# Altium PCB SAM4N_Xplained_Pro.PcbDoc (part 1 of 3) (continued)
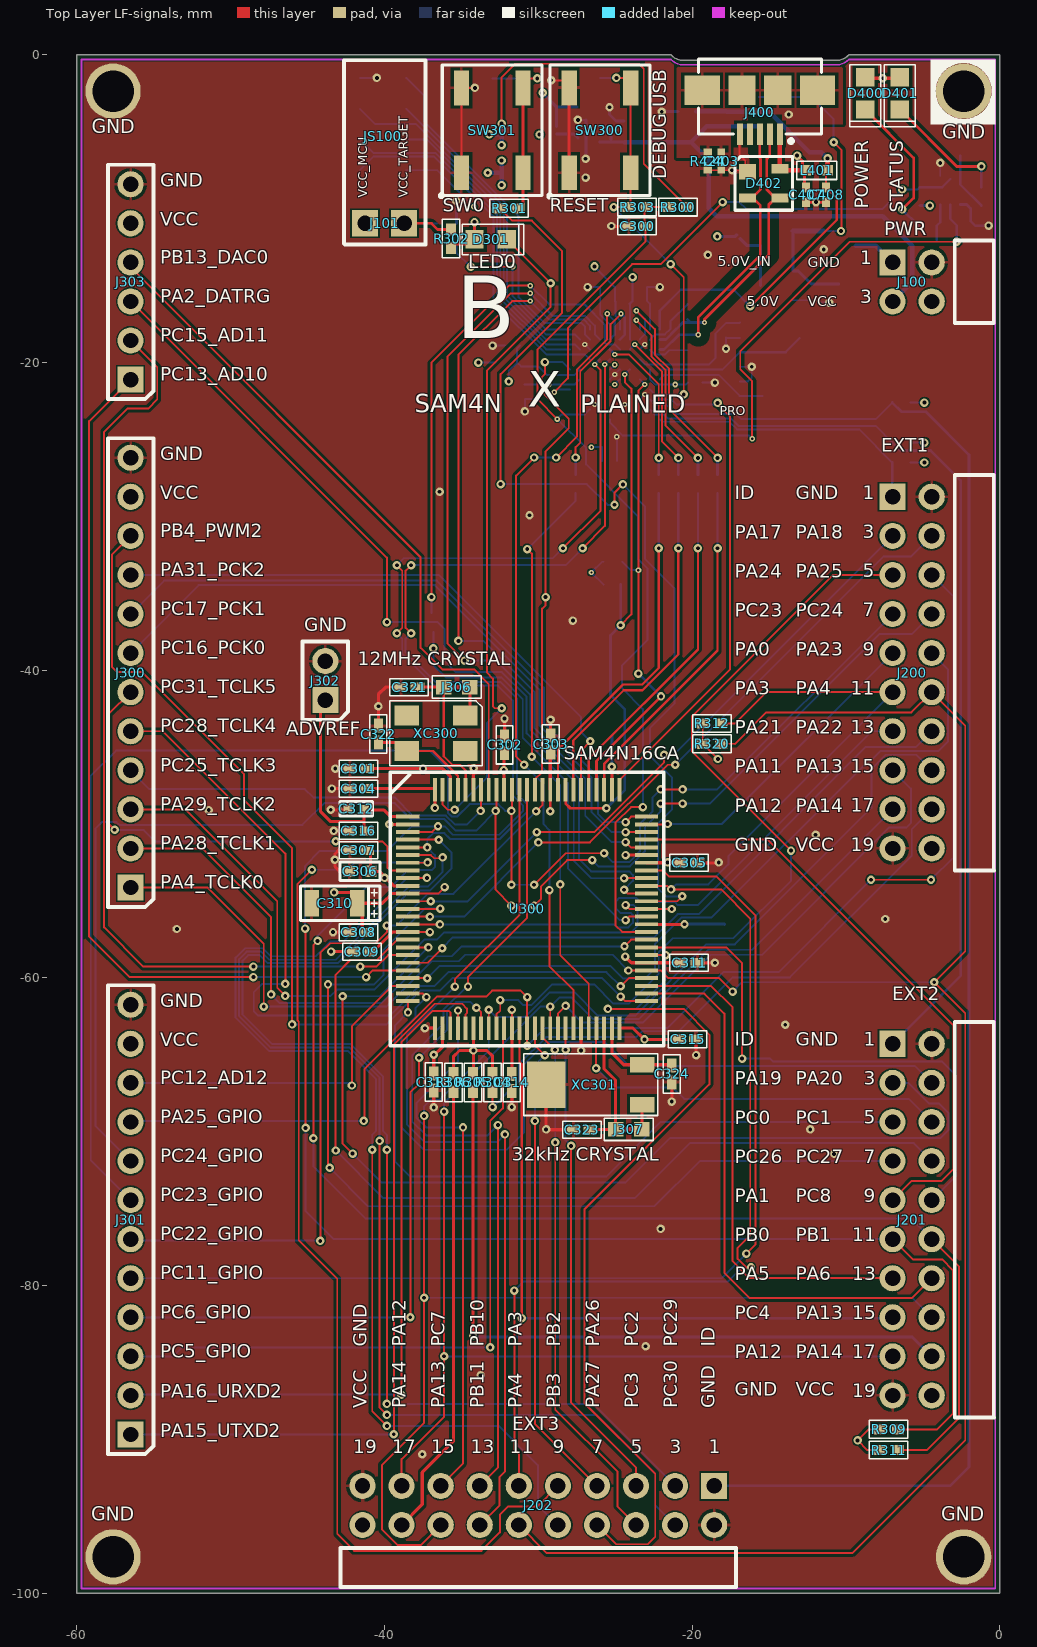
[diagram p0: Top Layer LF-signals view]
## Components (designator, comment, footprint, x,y, rotation, side; value= is the part's Value field where it differs from the comment) (continued)
R100 "R2" AP2-00000 -20.325,-3.675 r0 bottom
R101 "R2" AP2-00000 -26.875,-3.4 r0 bottom
R102 "R2" AP2-00000 -29.4,-3.4 r0 bottom
R103 "R2" AP2-00000 -17.1,-11.1 r90 bottom
R104 "R2" AP2-00000 -11.8,-15.5 r90 bottom locked
R105 "R2" AP2-00000 -36.6,-11.55 r90 bottom
R106 "R2" AP2-00000 -31.79,-5.165 r180 bottom locked
R107 "R2" AP2-00000 -35.325,-11.55 r270 bottom
R300 "R2" AP2-00000 -20.925,-9.9 r0 top
R301 "R2" AP2-00000 -31.9,-9.975 r180 top
R302 "R2" AP2-00000 -35.675,-11.95 r90 top
R303 "R2" AP2-00000 -23.575,-9.9 r0 top
R304 "R2" AP2-00000 -32.975,-66.8 r90 top
R305 "R2" AP2-00000 -34.25,-66.8 r90 top
R306 "R2" AP2-00000 -35.525,-66.8 r90 top
R309 "R2" AP2-00000 -7.225,-89.35 r180 top
R311 "R2" AP2-00000 -7.225,-90.7 r180 top
R312 "R2" AP2-00000 -18.714,-43.46 r180 top
R320 "R2" AP2-00000 -18.714,-44.785 r180 top
R321 "R2" AP2-00000 -25.15,-34.425 r180 bottom
R322 "R2" AP2-00000 -25.15,-32.95 r180 bottom
R401 "R2" AP2-00000 -6.4,-22.6 r0 bottom locked
R402 "R2" AP2-00000 -6.4,-25.2 r0 bottom locked
R409 "R2" AP2-00000 -6.4,-26.5 r0 bottom locked
R410 "R2" AP2-00000 -5.2,-9.2 r270 bottom locked
R411 "R2" AP2-00000 -4.7,-11.1 r180 bottom locked
R412 "R2" AP2-00000 -1.2,-9.2 r90 bottom locked
R413 "R2" AP2-00000 -2.2,-11.1 r180 bottom locked
R414 "R2" AP2-00000 -27.575,-27.875 r90 bottom
R415 "R2" AP2-00000 -36.95,-36.875 r90 bottom
R416 "R2" AP2-00000 -22.175,-27.9 r90 bottom
R417 "R2" AP2-00000 -20.9,-27.9 r90 bottom
R418 "R2" AP2-00000 -19.625,-27.9 r90 bottom
R419 "R2" AP2-00000 -18.35,-27.9 r90 bottom
R421 "R2" AP2-00011 -20.3,-16.7 r90 bottom locked
R422 "R2" AP2-00011 -20.3,-18.7 r270 bottom locked
R423 "R2" AP2-00011 -16.9,-17.9 r90 bottom locked
R424 "R2" AP2-00011 -19,-6.9 r90 top locked
R425 "R2" AP2-00000 -31.79,-7.665 r0 bottom locked
SW300 "Can be ordered in low volumes from Mouser" AP8-00137 -26,-4.9 r90 top locked
SW301 "Can be ordered in low volumes from Mouser" AP8-00137 -33,-4.9 r90 top locked
TP300 "TESTPAD" AP8-00010#1 -26,-1.5 r270 bottom locked
TP302 "TESTPOINT" AP8-00010#1 -25.2,-44.25 r270 bottom locked
TP303 "TESTPAD" AP8-00010#2 -32.825,-1.475 r270 bottom locked
TP304 "TESTPOINT" AP8-00010#1 -17.9,-56.525 r270 bottom locked
TP400 "TESTPAD" AP8-00010#1 -41.6,-1.5 r270 bottom locked
TP401 "TESTPAD" AP8-00010#1 -38.6,-1.5 r270 bottom locked
TP402 "TESTPAD" AP8-00010#1 -41.6,-3.5 r270 bottom locked
TP403 "TESTPAD" AP8-00010#1 -41.6,-5.5 r270 bottom locked
TP404 "TESTPAD" AP8-00010#1 -38.6,-5.5 r270 bottom locked
TP405 "TESTPAD" AP8-00010#1 -41.6,-7.5 r270 bottom locked
TP406 "TESTPAD" AP8-00010#1 -38.6,-3.5 r270 bottom locked
TP407 "TESTPAD" AP8-00010#1 -38.6,-7.5 r270 bottom locked
U100 "Mouser: 1016-1588-2-ND" AP6-00338 -27.425,-5.4 r180 bottom
U300 "SAM4N_100LPQF" AP6-00292 -30.725,-55.52 r0 top locked
U400 "100 ball VFBGA" AP6-00206 -25.025,-20.775 r90 bottom locked
XC300 "12.0MHz" AP7-00039 -36.65,-44.1 r180 top
XC301 "Farnell order no:1539364" AP7-00044 -23.25,-66.95 r90 top
XC400 "12.0MHz" AP7-00039 -14.25,-20.25 r90 bottom locked

## Footprints (in the part's own frame and the unit in brackets; to place one, negate y for a bottom-side part, rotate by r counter-clockwise, add the part's x,y. Pads: shape width x height; smd on the part's side, far side on the other; paste and mask are expansions set on the pad)
AP1-00001 [mm] "Standard 0402 SMD capacitor footprint"
  rect 0.9x0.6 smd: 1(-0.55,0) 2(0.55,0)
  silkscreen extent -1.25,-0.55 1.25,0.55, body extent -0.5,-0.3 0.5,0.3, height 0.2
AP1-00036 [mm] "SMD capacitors: 3216-18 EIA Case 1206, polarized"
  rect 0.95x1.75 smd: 1(-1.475,0) 2(1.475,0)
  silkscreen extent -2.95,-1.12 2.2,1.12, body extent -1.6,-0.8 1.6,0.8, height 1
AP1-00038 [mm] "Generic pad 0402, spacing 0.45mm"
  rect 0.5x0.6 smd: 1(0,0) 2(0,-1.05)
  silkscreen extent -0.48,-1.58 0.48,0.53, body extent -0.3,-1.02 0.3,-0.03, height 0.2
AP1-00039 [mil] "Capacitor 0603 Hight 0.8mm"
  rect 30x30 smd: 1(-27.5,0) 2(27.5,0)
  silkscreen extent -52,-24 51,24, body extent -31,-16 32,16, height 12
AP1-00053 [mm] "Chip Capacitor, 2-Leads, Body 1.0x0.5mm, IPC High Density"
  rect 0.65x0.5 smd: 1(-0.475,0) 2(0.475,0)
  body extent -0.5,-0.3 0.5,0.3, height 0.2
AP2-00000 [mm] "Standard 0402 SMD resistor footprint"
  rect 0.8x0.65 smd: 1(-0.6,0) 2(0.6,0)
  silkscreen extent -1.25,-0.58 1.25,0.58, body extent -0.5,-0.3 0.5,0.3, height 0.2
AP2-00011 [mm] "Chip Resistor, 2-Leads, Body 1,0x0,5mm, IPC High Density"
  rect 0.6x0.55 smd: 1(-0.5,0) 2(0.5,0)
  body extent -0.5,-0.3 0.5,0.3, height 0.2
AP3-00005 [mm]
  rect 0.7x0.7 smd: 1(-0.7,0) 2(0.7,0)
  silkscreen extent -1.3,-0.6 1.3,0.6, body extent -0.83,-0.41 0.82,0.41, height 0.8
AP4-00001 [mm]
  rect 1.1x1 smd: 1(0,0)
  rect 1.1x0.6 smd: 2(0,-1.7) 3(2.1,-1.7) 4(2.1,0.2)
  silkscreen extent -0.82,-2.5 2.93,1, body extent -0.25,-2.25 2.25,0.75, height 1.1
AP4-00013 [mm] "0805 diode footprint"
  rect 1.2x1.2 smd: 1(-1.05,0) 2(1.05,0)
  silkscreen extent -2.16,-1 1.85,1, body extent -1,-0.63 1,0.63, height 1.1
AP5-00001 [mm]
  rect 0.85x0.35 smd: 1(-0.925,0.65) 2(-0.925,0) 3(-0.925,-0.65) 4(0.925,-0.65) 5(0.925,0) 6(0.925,0.65)
  silkscreen extent -1.6,-1.35 1.6,1.35, body extent -1.05,-1 1.05,1, height 0.95
AP5-00002 [mm] "SOT-23 Package"
  rect 1.3x0.6 smd: 1(-1.05,0.95) 2(-1.05,-0.95) 3(1.05,0)
  silkscreen extent -1.95,-1.78 1.95,1.78, body extent -1.25,-1.46 1.23,1.46, height 1
AP6-00206 [mm] "100 ball (10x10 array) VFBGA. Pitch 0.65 mm. Width: 7 mm. Length: 7mm. Height: 1 mm"
  round 0.28 smd: A1(-2.925,2.925) A2(-2.275,2.925) A3(-1.625,2.925) A4(-0.975,2.925) A5(-0.325,2.925) A6(0.325,2.925) A7(0.975,2.925) A8(1.625,2.925) A9(2.275,2.925) A10(2.925,2.925) B1(-2.925,2.275) B2(-2.275,2.275) B3(-1.625,2.275) B4(-0.975,2.275) B5(-0.325,2.275) B6(0.325,2.275) B7(0.975,2.275) B8(1.625,2.275) B9(2.275,2.275) B10(2.925,2.275) C1(-2.925,1.625) C2(-2.275,1.625) C3(-1.625,1.625) C4(-0.975,1.625) C5(-0.325,1.625) C6(0.325,1.625) C7(0.975,1.625) C8(1.625,1.625) C9(2.275,1.625) C10(2.925,1.625) D1(-2.925,0.975) D2(-2.275,0.975) D3(-1.625,0.975) D4(-0.975,0.975) D5(-0.325,0.975) D6(0.325,0.975) D7(0.975,0.975) D8(1.625,0.975) D9(2.275,0.975) D10(2.925,0.975) E1(-2.925,0.325) E2(-2.275,0.325) E3(-1.625,0.325) E4(-0.975,0.325) E5(-0.325,0.325) E6(0.325,0.325) E7(0.975,0.325) E8(1.625,0.325) E9(2.275,0.325) E10(2.925,0.325) F1(-2.925,-0.325) F2(-2.275,-0.325) F3(-1.625,-0.325) F4(-0.975,-0.325) F5(-0.325,-0.325) F6(0.325,-0.325) F7(0.975,-0.325) F8(1.625,-0.325) F9(2.275,-0.325) F10(2.925,-0.325) G1(-2.925,-0.975) G2(-2.275,-0.975) G3(-1.625,-0.975) G4(-0.975,-0.975) G5(-0.325,-0.975) G6(0.325,-0.975) G7(0.975,-0.975) G8(1.625,-0.975) G9(2.275,-0.975) G10(2.925,-0.975) H1(-2.925,-1.625) H2(-2.275,-1.625) H3(-1.625,-1.625) H4(-0.975,-1.625) H5(-0.325,-1.625) H6(0.325,-1.625) H7(0.975,-1.625) H8(1.625,-1.625) H9(2.275,-1.625) H10(2.925,-1.625) J1(-2.925,-2.275) J2(-2.275,-2.275) J3(-1.625,-2.275) J4(-0.975,-2.275) J5(-0.325,-2.275) J6(0.325,-2.275) J7(0.975,-2.275) J8(1.625,-2.275) J9(2.275,-2.275) J10(2.925,-2.275) K1(-2.925,-2.925) K2(-2.275,-2.925) K3(-1.625,-2.925) K4(-0.975,-2.925) K5(-0.325,-2.925) K6(0.325,-2.925) K7(0.975,-2.925) K8(1.625,-2.925) K9(2.275,-2.925) K10(2.925,-2.925)
  silkscreen extent -4.15,-4.15 4.15,4.15, body extent -3.5,-3.5 3.5,3.5, height 1.01
AP6-00292 [mil] "QFP100-20-630"
  rect 60x10 smd mask+3: 1(-305.32,236.22) 2(-305.32,216.54) 3(-305.32,196.85) 4(-305.32,177.17) 5(-305.32,157.48) 6(-305.32,137.8) 7(-305.32,118.11) 8(-305.32,98.43) 9(-305.32,78.74) 10(-305.32,59.06) 11(-305.32,39.37) 12(-305.32,19.69) 13(-305.32,0) 14(-305.32,-19.69) 15(-305.32,-39.37) 16(-305.32,-59.06) 17(-305.32,-78.74) 18(-305.32,-98.43) 19(-305.32,-118.11) 20(-305.32,-137.8) 21(-305.32,-157.48) 22(-305.32,-177.17) 23(-305.32,-196.85) 24(-305.32,-216.54) 25(-305.32,-236.22) 51(305.32,-236.22) 52(305.32,-216.54) 53(305.32,-196.85) 54(305.32,-177.17) 55(305.32,-157.48) 56(305.32,-137.8) 57(305.32,-118.11) 58(305.32,-98.43) 59(305.32,-78.74) 60(305.32,-59.06) 61(305.32,-39.37) 62(305.32,-19.69) 63(305.32,0) 64(305.32,19.69) 65(305.32,39.37) 66(305.32,59.06) 67(305.32,78.74) 68(305.32,98.43) 69(305.32,118.11) 70(305.32,137.8) 71(305.32,157.48) 72(305.32,177.17) 73(305.32,196.85) 74(305.32,216.54) 75(305.32,236.22)
  rect 10x60 smd mask+3: 26(-236.22,-305.32) 27(-216.54,-305.32) 28(-196.85,-305.32) 29(-177.17,-305.32) 30(-157.48,-305.32) 31(-137.8,-305.32) 32(-118.11,-305.32) 33(-98.43,-305.32) 34(-78.74,-305.32) 35(-59.06,-305.32) 36(-39.37,-305.32) 37(-19.69,-305.32) 38(0,-305.32) 39(19.69,-305.32) 40(39.37,-305.32) 41(59.06,-305.32) 42(78.74,-305.32) 43(98.43,-305.32) 44(118.11,-305.32) 45(137.8,-305.32) 46(157.48,-305.32) 47(177.17,-305.32) 48(196.85,-305.32) 49(216.54,-305.32) 50(236.22,-305.32) 76(236.22,305.32) 77(216.54,305.32) 78(196.85,305.32) 79(177.17,305.32) 80(157.48,305.32) 81(137.8,305.32) 82(118.11,305.32) 83(98.43,305.32) 84(78.74,305.32) 85(59.06,305.32) 86(39.37,305.32) 87(19.69,305.32) 88(0,305.32) 89(-19.69,305.32) 90(-39.37,305.32) 91(-59.06,305.32) 92(-78.74,305.32) 93(-98.43,305.32) 94(-118.11,305.32) 95(-137.8,305.32) 96(-157.48,305.32) 97(-177.17,305.32) 98(-196.85,305.32) 99(-216.54,305.32) 100(-236.22,305.32)
  silkscreen extent -385,-350 350,350, body extent -315,-315 315,315, height 62
AP6-00338 [mm] "8-lead 3.0x2.0 mm Body, 0.50 mm Pitch,  VDFN, Very Thin, Dual Flat No-Lead Package"
  round 0.4 on Bottom Paste: 0(-0.425,-0.4) 0(-0.425,0.4) 0(0,0) 0(0.425,-0.4) 0(0.425,0.4)
  rect 0.6x0.25 smd: 1(-1.4,0.75) 2(-1.4,0.25) 3(-1.4,-0.25) 4(-1.4,-0.75) 5(1.4,-0.75) 6(1.4,-0.25) 7(1.4,0.25) 8(1.4,0.75)
  rect 1.6x1.5 smd paste-0.7: 9(0,0)
  silkscreen extent -2.26,-1.3 2.2,1.33, body extent -1.53,-1 1.53,1, height 0.92
AP7-00039 [mm] "FOX FQ5032B"
  rect 1.6x1.3 smd: 1(-1.9,-1.15) 2(1.9,-1.15) 3(1.9,1.15) 4(-1.9,1.15)
  silkscreen extent -3,-2.1 3,2.1, body extent -2.7,-1.8 2.7,1.8, height 1.2
AP7-00044 [mm]
  rect 1x1.6 smd: 1(-1.3,0) 2(1.3,0)
  rect 3x2.5 smd: 3(0,6.25)
  silkscreen extent -2,-1 2,7.7, body extent -1.5,-0.7 1.5,7.4, height 2.08
AP8-00010#1 [mm] "Testpad 50mil"
  round 1.27 smd paste-0.635: 1(0,0)
AP8-00010#2 [mm] "Testpad 50mil"
  round 1.27 smd paste-0.635: 1(0.025,0.175)
AP8-00137 [mm]
  rect 2.25x1 smd: 1(-2.75,2) 2(2.75,2) 3(-2.75,-2) 4(2.75,-2)
  silkscreen extent -4.37,-3.25 4.25,3.35, body extent -3.1,-3.1 3.1,3.1, height 3.4
AP8-00192 [mm]
  silkscreen extent -4,-4 4,4, body extent -3.97,-3.99 4,3.99, height 2.79
AP8-00317 [mm] "Placement area for 18x6mm sticker"
  silkscreen extent 0,0 18,6
AP8-00367 [mm] "1x2 pin header, right angle, 2.54 mm pitch, through-hole"
  rect 1.7x1.7 / inner round 1.7 / far side round 1.7 hole 1: 1(-1.27,0) 2(1.27,0)
  silkscreen extent -2.65,-1.38 2.66,10.6, body extent -2.54,-0.33 2.54,9.99, height 2.55
AP8-00525 [mm] "Jumper 2.54mm, 3D"
  body extent -2.49,0 2.49,5.97, height 2.52
AP8-00604 [mm] "Micro USB connector SMD"
  rect 0.4x1.4 smd: 1(-1.3,2.85) 2(-0.65,2.85) 3(0,2.85) 4(0.65,2.85) 5(1.3,2.85)
  rect 2.3x1.9 smd: 6(-3.75,0) 9(3.75,0)
  rect 1.775x1.9 smd: 7(-1.162,0) 8(1.162,0)
  silkscreen extent -4,-2.02 3.99,3.42, body extent -3.99,-2.58 3.99,2.85, height 2.77
AP8-00622 [mm] "2x10 Right angle 2.54mm THM"
  rect 1.7x1.7 / inner round 1.7 / far side rect 1.7x1.7 hole 1: 1(-11.43,-1.27)
  rect 2.1x2.1 on Top Paste: 1(-11.43,-1.27) 2(-11.43,1.27) 3(-8.89,-1.27) 4(-8.89,1.27) 5(-6.35,-1.27) 6(-6.35,1.27) 7(-3.81,-1.27) 8(-3.81,1.27) 9(-1.27,-1.27) 10(-1.27,1.27) 11(1.27,-1.27) 12(1.27,1.27) 13(3.81,-1.27) 14(3.81,1.27) 15(6.35,-1.27) 16(6.35,1.27) 17(8.89,-1.27) 18(8.89,1.27) 19(11.43,-1.27) 20(11.43,1.27)
  round 1.7 hole 1: 2(-11.43,1.27) 3(-8.89,-1.27) 4(-8.89,1.27) 5(-6.35,-1.27) 6(-6.35,1.27) 7(-3.81,-1.27) 8(-3.81,1.27) 9(-1.27,-1.27) 10(-1.27,1.27) 11(1.27,-1.27) 12(1.27,1.27) 13(3.81,-1.27) 14(3.81,1.27) 15(6.35,-1.27) 16(6.35,1.27) 17(8.89,-1.27) 18(8.89,1.27) 19(11.43,-1.27) 20(11.43,1.27)
  silkscreen extent -12.85,2.77 12.85,5.31, body extent -12.7,-1.59 12.7,11.29, height 5
AP8-00628 [mm] "2x2 Right angle 2.54mm THM"
  rect 1.7x1.7 / inner round 1.7 / far side rect 1.7x1.7 hole 1: 1(-1.27,-1.27)
  rect 2.1x2.1 on Top Paste: 1(-1.27,-1.27) 2(-1.27,1.27) 3(1.27,-1.27) 4(1.27,1.27)
  round 1.7 hole 1: 2(-1.27,1.27) 3(1.27,-1.27) 4(1.27,1.27)
  silkscreen extent -2.69,2.77 2.67,5.31, body extent -2.54,-1.52 2.54,11.36, height 5
AP8-00676 [mm]
  rect 1.7x1.7 / inner round 1.7 / far side rect 1.7x1.7 hole 1: 1(-6.35,0)
  round 1.7 hole 1: 2(-3.81,0) 3(-1.27,0) 4(1.27,0) 5(3.81,0) 6(6.35,0)
  silkscreen extent -7.62,-1.48 7.62,1.48, body extent -7.62,-1.27 7.62,1.27, height 8.38
AP8-00677 [mm]
  rect 1.7x1.7 / inner round 1.7 / far side rect 1.7x1.7 hole 1: 1(-13.97,0)
  round 1.7 hole 1: 2(-11.43,0) 3(-8.89,0) 4(-6.35,0) 5(-3.81,0) 6(-1.27,0) 7(1.27,0) 8(3.81,0) 9(6.35,0) 10(8.89,0) 11(11.43,0) 12(13.97,0)
  silkscreen extent -15.24,-1.48 15.24,1.48, body extent -15.24,-1.27 15.24,1.27, height 8.38
AP8-00733 [mm] "Pin header 1x2 Pin in Paste"
  rect 1.7x1.7 / inner round 1.7 / far side rect 1.7x1.7 hole 1: 1(-1.27,0)
  rect 2.1x2.1 on Top Paste: 1(-1.27,0) 2(1.27,0)
  round 1.7 hole 1: 2(1.27,0)
  silkscreen extent -2.54,-1.48 2.54,1.48, body extent -2.54,-1.27 2.54,1.27, height 8.38
AP9-00044 [mm]
  rect 1x0.95 smd paste-1: 1(-0.85,0) 2(0.85,0)
  Top Layer LF-signals region: -0.451,-0.15 0.449,-0.15 0.449,0.15 -0.451,0.15
  silkscreen extent -1.6,-0.72 1.6,0.72, body extent -0.8,-0.4 0.8,0.4, height 0.3

## Part data
C100: library part A01-0324, "SMD tantalum capacitor, ESR = 1.7, 3216-18 (EIA) 1206,"
C101: library part A01-0377, "Ceramic capacitor, SMD 0603, X5R, 10V, 10% (de31036)"
C300: library part A01-0046, "Ceramic capacitor, SMD 0402, X7R, 25V, +/-10% (de35287)"
C301 C302 C303 C304 C305 C307 C308 C309 C311 C313 C314 C315 C404 C410 C411 C412 C413: library part A01-0246, "Ceramic capacitor, SMD 0402, X7R, 16V, +/-10%"
C306: library part A01-0461, "Ceramic capacitor, SMD 0603, X5R, 10V, 10UF ± 20%"
C310: library part A01-0492, "Capacitor Tantalum 10V 2.2uF 10% ESR = 6 ohm"
C312: library part A01-0447, "Ceramic capacitor, SMD 0402, X5R, 10V, ±10 %"
C316: library part A01-0050, "Ceramic capacitor, SMD 0402, X7R, 25V, +/-10%"
C321 C322 C400 C401: library part A01-0019, "Ceramic capacitor, SMD 0402, NP0, 50V, +/-5%"
C323 C324: library part A01-0012, "Ceramic capacitor, SMD 0402, NP0, 50V, +/-5%"
C402: library part A01-0015, "Ceramic capacitor, SMD 0402, NP0, 50V, +/-5%"
C403: library part A01-0046, "Ceramic capacitor, SMD 0402, X7R, 25V, +/-10%"
C405 C409 C414 C415: library part A01-0300, "Ceramic capacitor, SMD 0402, X5R, 6.3V, +/-20%"
C406 C407 C408: library part A01-0321, "Ceramic capacitor, SMD 0402, C0G, 50V, +/-5%"
D301 D401: library part A10-0019, "LED, Yellow, Wave length=591nm, SMD 0805, ±70°"
D400: library part A10-0018, "LED, Green, Wave length=575nm, SMD 0805, ±70°"
D402: library part A06-0236, "Double rail-to-rail USB ESD protection diode"
E1 E2 E3 E4: library part A08-0053, "2.8mm adhesive feet,diam 8.0mm"
J100: library part A08-1519, "Pin header, 2x2, Right Angle, 2.54mm, THT, Pin In Paste"
J101: library part A08-0764, "1x2 pin header, right angle, 2.54 mm pitch, through-hole"
J200 J201 J202: library part A08-1513, "Pin header, 2x10, Right Angle, 2.54mm, THM, Pin In Paste"
J300 J301: library part A08-1617, "1x12 pin header, 2.54mm pitch, Pin-in-Paste THM"
J302: library part A08-1754, "1x2 pin header, 2.54mm pitch, Pin-in-Paste THM"
J303: library part A08-1616, "1x6 pin header, 2.54mm pitch, Pin-in-Paste THM"
J306 J307: library part A09-0783, "Default closed SMD strap, 0603 size"
J400: library part A08-1368, "Micro USB AB Connector"
JS100: library part A08-0543, "Jumper cap for 2.54mm pinheader"
L401 L402: library part A03-0035, "SMD RF inductor 0603. Z=470Ohm (@100MHz), Max R(dc)=0.65Ohm, Max current=1A"
LABEL1: library part A09-0611, "PCBA identification label PP Top White Gloss"
Q100 Q101 Q102: library part A05-0087, "P-ch. MOSFET. -30V, -3.7A continuous,RDS(ON)=0.05Ohm@VGS=-4,5V, RDS(ON)=0.08Ohm@VGS=-2.5V"
Q103: library part A05-0085, "N-Channel MOSFET. 60V, 0.300A continuous, 1.2A Peak. RDS(ON) = 3.8Ohm@VGS=4.5V, VGS(th)<2.5V"
Q400: library part A05-0051, "Dual N-Channel MOSFET, 60V, 115mA cont,RDS(ON) < 7.5 Ohm @50mA@5V, SOT-363"
R100 R104 R410 R413 R424: library part A02-0284, "Thick film resistor, SMD 0402, 1/16W, 1%"
R101: library part A02-0242, "Thick film resistor, SMD 0402, 1/16W, 1%"
R102: library part A02-0247, "Thick film resistor, SMD 0402, 1/16W, 1%"
R103 R300 R321 R322: library part A02-0260, "Thick film resistor, SMD 0402, 1/16W, 1%"
R105 R107: library part A02-0252, "Thick film resistor, SMD 0402, 1/16W, 1%"
R106 R425: library part A02-0163, "Thick film resistor, SMD 0402, 1/16W, 1%"
R301 R303 R421 R422: library part A02-0178, "Thick film resistor, SMD 0402, 1/16W, 1%"
R302 R411 R412 R414 R415 R416 R417 R418 R419: library part A02-0200, "Thick film resistor, SMD 0402, 1/16W, 1%"
R304 R305 R306: library part A02-0179, "Thick film resistor, SMD 0402, 1/16W, 1%"
R309 R311 R312 R320: library part A02-0228, "Thick film resistor, SMD 0402, 1/16W, 1%"
R401 R402 R409: library part A02-0212, "Thick film resistor, SMD 0402, 1/16W, 1%"
R423: library part A02-0539, "Thick film resistor, SMD 0402, 1/16W, 1%"
SW300 SW301: library part A08-0790, "6.2x6.2 mm SMD tact switch, same as A08-0091 but less force is needed"
TP300 TP302 TP303 TP304 TP400 TP401 TP402 TP403 TP404 TP405 TP406 TP407: library part A08-0004, "Single SMD testpad"
U100: library part A06-0957, "500mA LDO, ADJ, low noise, 8-DFN package"
U300: library part A06-0963, "ARM Cortex-M4 MCU with 1MB flash, 80KB SRAM"
U400: library part A06-0736, "AVR 32-bit RISC MCU"
XC300 XC400: library part A07-0042, "Fox FQ5032B 12.0MHz SMD crystal 738B-12"
XC301: library part A07-0052, "32k768 crystal, +-20ppm, CL=7pF, max ESR 60kOhm, SMD"

## Free pads (board coordinates)
  round 0.8 smd far side paste-1: 3(-10.475,-14.9) 3(-4.1,-12.025) 3(-2.575,-6.55)
  round 3.6 hole 2.7 paste-2.6: 666(-57.65,-97.65) 666(-57.65,-2.35) 666(-2.35,-97.65) 666(-2.35,-2.35)

## Via types
v1: diameter 0.55, hole 0.25, Top Layer LF-signals to Bottom Layer LF-signals, tented both sides, 201 vias
v2: diameter 0.55/0.8 (per signal layer), hole 0.25, Top Layer LF-signals to Bottom Layer LF-signals, tented top, 37 vias
v3: diameter 0.55, hole 0.25, Top Layer LF-signals to Bottom Layer LF-signals, 31 vias
v4: diameter 0.35, hole 0.15, Top Layer LF-signals to Bottom Layer LF-signals, tented both sides, 30 vias
v5: diameter 0.55, hole 0.25, Top Layer LF-signals to Bottom Layer LF-signals, tented top, 6 vias
v6: diameter 0.55/1.27 (per signal layer), hole 0.25, Top Layer LF-signals to Bottom Layer LF-signals, tented top, 3 vias
v7: diameter 0.38, hole 0.15, Top Layer LF-signals to Bottom Layer LF-signals, tented both sides, 2 vias
v8: diameter 0.35, hole 0.15, Top Layer LF-signals to Bottom Layer LF-signals, 1 vias
v9: diameter 0.38, hole 0.15, Top Layer LF-signals to Bottom Layer LF-signals, 1 vias

## Nets (pads, with @x,y where several pads share a name; then routed paths per layer and width w, separated by ;. In a path a pad name is that pad's centre, name@x,y a point inside that pad or via, vN(x,y) a via of type N, cw(c..) or ccw(c..) an arc to the next point about the centre after c; other vN are vias at no path point)
ADVREF: C312.1 C316.1 J302.1@-43.848,-41.95 U300.1 | length 15.1
  Top Layer LF-signals w0.2: J302.1@-43.848,-41.95 -44.15,-42.252 -44.15,-49.2 -43.5,-49.85 -41.323,-49.85 ; C316.1@-41.148,-50.45 -41.323,-50.275 -41.323,-49.85 ; U300.1@-38.48,-49.52 -39.605,-49.52 -40.025,-49.1 -41.223,-49.1 C312.1@-41.323,-49 -41.323,-49.85
DGI_GPIO0: R416.2 U400.F8 | length 10
  Top Layer LF-signals w0.125: v4(-25.025,-19.475) -24.125,-19.475 -22.175,-21.425 v2(-22.175,-26.2)
  Bottom Layer LF-signals w0.175: U400.F8@-25.35,-19.15 v4(-25.025,-19.475) ; R416.2@-22.175,-27.3 v2(-22.175,-26.2)
DGI_GPIO1: R417.2 U400.D8 | length 10.1
  Top Layer LF-signals w0.125: v4(-23.725,-18.825) -21.95,-20.6 -21.95,-25.15 v2(-20.9,-26.2) ; v2@-20.886,-26.2 v2@-20.875,-26.2
  Bottom Layer LF-signals w0.125: U400.D8@-24.05,-19.15 v4(-23.725,-18.825)
  Bottom Layer LF-signals w0.175: R417.2@-20.9,-27.3 v2(-20.9,-26.2)
DGI_GPIO2: R418.2 U400.C10 | length 12.4
  Top Layer LF-signals w0.125: v4(-23.625,-17.25) -22.65,-18.225 -22.65,-19.582 -21.725,-20.507 -21.725,-24.1 v2(-19.625,-26.2)
  Bottom Layer LF-signals w0.125: v4(-23.625,-17.25) -23.4,-17.475 U400.C10@-23.4,-17.85
  Bottom Layer LF-signals w0.175: R418.2@-19.625,-27.3 v2(-19.625,-26.2)
DGI_GPIO3: R419.2 U400.C9 | length 15.1
  Top Layer LF-signals w0.125: v4(-23.625,-16.625) -22.425,-17.825 -22.425,-19.489 -21.5,-20.414 -21.5,-23.05 v2(-18.35,-26.2)
  Bottom Layer LF-signals w0.125: v4(-23.625,-16.625) -23.075,-17.175 -23.075,-18.175 U400.C9@-23.4,-18.5
  Bottom Layer LF-signals w0.175: R419.2@-18.35,-27.3 v2(-18.35,-26.2)
EDBG_ADC0: R105.1 R107.2 U400.K10 | length 12.5
  Top Layer LF-signals w0.125: v2(-34.4,-13.775) v4(-31.675,-13.775)
  Bottom Layer LF-signals w0.125: R105.1@-36.6,-12.15 R107.2@-35.325,-12.15 -35.325,-12.85 v2(-34.4,-13.775) ; v4(-31.675,-13.775) -31.675,-15.693 -29.518,-17.85 U400.K10@-27.95,-17.85
EDBG_CDC_USART_RX: U300.44 U400.F9 | length 53.3
  Top Layer LF-signals w0.125: v3(-30.925,-46.15) -31.45,-45.625 -31.45,-27.35 v1(-30.275,-26.175) ; v3(-29.282,-54.3) -29.282,-59.232 -27.725,-60.789 U300.44@-27.725,-63.275 ; v2(-28.85,-26.175) -27.5,-24.825 -27.5,-20.477 -25.525,-18.502 v4(-25.525,-16.825)
  Bottom Layer LF-signals w0.125: v3(-30.925,-46.15) -29.662,-47.413 -29.662,-50.013 -29.282,-50.393 v3(-29.282,-54.3) ; v1(-30.275,-26.175) v2(-28.85,-26.175)
  Bottom Layer LF-signals w0.15: v4(-25.525,-16.825) -25.035,-17.315 -25.035,-18.185 U400.F9@-25.35,-18.5
EDBG_CDC_USART_TX: R414.2 U400.E9 | length 13.6
  Top Layer LF-signals w0.125: v2(-27.575,-26.175) -27.575,-25.5 -27.275,-25.2 -27.275,-20.575 -25.3,-18.6 -25.3,-17.5 v4(-24.625,-16.825)
  Bottom Layer LF-signals w0.15: U400.E9@-24.7,-18.5 -24.375,-18.175 -24.375,-17.075 v4(-24.625,-16.825)
  Bottom Layer LF-signals w0.175: R414.2@-27.575,-27.275 v2(-27.575,-26.175)
EDBG_DGI_SCL: J201.12@-4.43,-76.99 R311.1 U300.5 U400.F7 | length 141.6
  Top Layer LF-signals w0.125: v1(-44.625,-70.425) -44.625,-57.875 v1(-44.35,-57.6) ; U300.5@-38.48,-51.52 -37.23,-51.52 v1(-37.225,-51.525) ; v1(-38.275,-37.6) -38.625,-37.25 -38.625,-33.525 v1(-38.275,-33.175) ; v2(-27.125,-32.075) -25.675,-30.625 v4(-25.675,-20.125) ; R311.1@-6.625,-90.7 -4.75,-90.7 -2.65,-88.6 -2.65,-78.77 J201.12@-4.43,-76.99
  Bottom Layer LF-signals w0.125: v1(-44.625,-70.425) -44.625,-72.25 -41.225,-75.65 -5.77,-75.65 J201.12@-4.43,-76.99 ; v1(-44.35,-57.6) -44.35,-57.275 -41.175,-54.1 -39.6,-54.1 -38.5,-53 -36.925,-53 -36.725,-52.8 -36.725,-52.025 v1(-37.225,-51.525) -37.225,-50.975 -36.837,-50.587 -36.113,-50.587 -35.725,-50.975 -32.5,-50.975 -30.75,-49.225 -30.75,-48.675 -31.375,-48.05 -31.375,-41.843 -32.443,-40.775 -36.675,-40.775 -38.625,-38.825 -38.625,-37.95 v1(-38.275,-37.6) ; v1(-38.275,-33.175) -28.225,-33.175 v2(-27.125,-32.075) ; v4(-25.675,-20.125) U400.F7@-25.35,-19.8
EDBG_DGI_SDA: J201.11@-6.97,-76.99 R309.1 U300.3 U400.G7 | length 144.6
  Top Layer LF-signals w0.125: v1(-45.163,-56.8) -45.127,-56.835 v1(-45.127,-69.753) ; v1(-39.2,-37.6) -38.85,-37.25 -38.85,-33.525 v1(-39.2,-33.175) ; U300.3@-38.48,-50.52 -36.895,-50.52 v1(-36.525,-50.15) ; v2(-28.4,-32.075) -25.95,-29.625 -25.95,-20.5 v4(-26.325,-20.125) ; J201.11@-6.97,-76.99 -5.66,-78.3 -3.75,-78.3 -3.05,-79 -3.05,-88.325 -4.075,-89.35 R309.1@-6.625,-89.35
  Bottom Layer LF-signals w0.125: v1(-45.163,-56.8) -45.163,-52.713 -44.2,-51.75 -39.825,-51.75 -38.225,-50.15 v1(-36.525,-50.15) -36.1,-50.15 -35.55,-50.7 -32.543,-50.7 -31,-49.157 -31,-48.779 -31.65,-48.129 -31.65,-41.975 -32.625,-41 -36.768,-41 -38.85,-38.918 -38.85,-37.95 v1(-39.2,-37.6) ; v1(-45.127,-69.753) -45.15,-69.776 -45.15,-75.15 -43.31,-76.99 J201.11@-6.97,-76.99 ; v1(-39.2,-33.175) -38.75,-32.725 -29.05,-32.725 v2(-28.4,-32.075) ; v4(-26.325,-20.125) U400.G7@-26,-19.8
EDBG_DGI_USART_CLK: U300.71 U400.H10 | length 50.1
  Top Layer LF-signals w0.125: v2(-35.2,-38.1) -35.2,-19.5 -31.7,-16 v4(-30.525,-16) ; v1(-24.325,-51.175) -23.98,-51.52 U300.71@-22.97,-51.52
  Bottom Layer LF-signals w0.125: v2(-35.2,-38.1) -33.575,-38.1 -30.238,-41.437 -30.238,-43.766 -26.95,-47.054 -26.95,-49.45 -25.225,-51.175 v1(-24.325,-51.175) ; v4(-30.525,-16) -29.325,-17.2 -27.05,-17.2 -26.65,-17.6 U400.H10@-26.65,-17.85
EDBG_DGI_USART_RX: U300.65 U400.G9 | length 57.3
  Top Layer LF-signals w0.125: v2(-34.8,-39.375) -35.9,-38.275 -35.9,-19.6 -31.8,-15.5 v4(-30.525,-15.5) ; v1(-24.425,-54.275) -24.18,-54.52 U300.65@-22.97,-54.52
  Bottom Layer LF-signals w0.125: v2(-34.8,-39.375) -32.725,-39.375 -30.512,-41.588 -30.512,-43.88 -27.35,-47.043 -27.35,-52.3 -26.575,-53.075 -24.1,-53.075 -23.85,-53.325 -23.85,-53.7 v1(-24.425,-54.275) ; v4(-30.525,-15.5) -29.05,-16.975 -26.95,-16.975 -26.325,-17.6 -26.325,-18.175 U400.G9@-26,-18.5
EDBG_DGI_USART_TX: R415.2 U400.E8 | length 33.1
  Top Layer LF-signals w0.125: v2(-36.95,-35.25) -36.95,-35.325 -36.95,-20.025 -31.925,-15 v4(-30.525,-15)
  Bottom Layer LF-signals w0.125: R415.2@-36.95,-36.275 v2(-36.95,-35.25) ; v4(-30.525,-15) -29.3,-16.225 -27,-16.225 -25.675,-17.55 -25.675,-18.7 -25.55,-18.825 -25.025,-18.825 U400.E8@-24.7,-19.15
EDBG_FORCE_BOOT: TP401.1 U400.H9 | length 23.4
  Bottom Layer LF-signals w0.125: TP401.1@-38.6,-1.5 -37.4,-2.7 -37.4,-4.375 -31.287,-10.488 -31.287,-15.763 -29.625,-17.425 -27.2,-17.425 -26.975,-17.65 -26.975,-18.175 U400.H9@-26.65,-18.5
EDBG_JTAG_TCK: TP402.1 U400.K9 | length 23.1
  Bottom Layer LF-signals w0.125: TP402.1@-41.6,-3.5 -40.6,-4.5 -37.945,-4.5 -32.25,-10.195 -32.25,-15.755 -29.505,-18.5 U400.K9@-27.95,-18.5
EDBG_JTAG_TDI: TP403.1 U400.K8 | length 22.6
  Bottom Layer LF-signals w0.125: TP403.1@-41.6,-5.5 -40.725,-6.375 -36.707,-6.375 -32.7,-10.382 -32.7,-15.941 -29.491,-19.15 U400.K8@-27.95,-19.15
EDBG_JTAG_TDO: TP404.1 U400.J8 | length 20.2
  Bottom Layer LF-signals w0.125: TP404.1@-38.6,-5.5 -37.264,-5.5 -32.475,-10.289 -32.475,-15.848 -29.498,-18.825 -27.625,-18.825 U400.J8@-27.3,-19.15
EDBG_JTAG_TMS: TP405.1 U400.H7 | length 24
  Bottom Layer LF-signals w0.125: TP405.1@-41.6,-7.5 -40.7,-6.6 -36.8,-6.6 -32.925,-10.475 -32.925,-16.034 -29.484,-19.475 -26.975,-19.475 U400.H7@-26.65,-19.8
EDBG_RESET_N: TP406.1 U400.J9 | length 20.8
  Bottom Layer LF-signals w0.125: TP406.1@-38.6,-3.5 -32.025,-10.075 -32.025,-15.661 -29.511,-18.175 -27.625,-18.175 U400.J9@-27.3,-18.5
EDBG_USB_FS_N: R421.2 U400.B9 | length 3.7
  Bottom Layer LF-signals w0.125: U400.B9@-22.751,-18.524 -22.402,-18.175 -21.775,-18.175 -21.4,-17.8 -21.4,-17.3 R421.2@-20.3,-16.2
EDBG_USB_FS_P: R422.2 U400.B8 | length 2.7
  Bottom Layer LF-signals w0.125: U400.B8@-22.751,-19.174 -22.448,-19.476 -21.751,-19.476 -21.475,-19.2 R422.2@-20.3,-19.2
EDBG_USB_HS_N: D402.3 J400.2 R421.1 U400.A9 | length 18.5
  Top Layer LF-signals w0.18: v4(-19.2,-17.4) -19.2,-17.187 -15.021,-13.008 -15.021,-10.5 ; -15.021,-10.727 -15.021,-9.746 D402.3@-14.675,-9.4 ; J400.2@-14.964,-5.672 -14.964,-6.575 -15.15,-6.761 -15.15,-8.75 D402.3@-14.5,-9.4
  Top Layer LF-signals w0.2: D402.3@-14.675,-9.4 D402.3@-14.4,-9.4 ; D402.3@-14.5,-9.4 D402.3@-14.4,-9.4 ; D402.3@-14.3,-9.3 D402.3@-14.4,-9.4 ; D402.3@-14.2,-9.4 D402.3@-14.4,-9.4
  Bottom Layer LF-signals w0.18: U400.A9@-22.1,-18.5 -21.712,-18.5 -21.032,-17.82 -21.03,-17.82 -20.61,-17.4 R421.1@-20.1,-17.4 ; R421.1@-20.3,-17.2 R421.1@-20.1,-17.4 ; v4(-19.2,-17.4) R421.1@-20.1,-17.4
EDBG_USB_HS_P: D402.2 J400.3 R422.1 U400.A8 | length 17.9
  Top Layer LF-signals w0.18: v4(-19.6,-18.2) -19.6,-17.05 -15.579,-13.029 -15.579,-10.727 -15.579,-9.771 D402.2@-16.05,-9.3 ; D402.2@-16.05,-9.25 -15.55,-8.75 -15.55,-6.764 -15.614,-6.7 J400.3@-15.614,-5.672
  Top Layer LF-signals w0.2: D402.2@-16.4,-9.3 D402.2@-16.05,-9.3
  Bottom Layer LF-signals w0.18: U400.A8@-22.1,-19.15 -21.825,-19.15 -20.875,-18.2 R422.1@-20.3,-18.2 v4(-19.6,-18.2) v4@-19.7,-18.2